# KiCad board ESP32CAM-Weather-Station.kicad_pcb (continued)
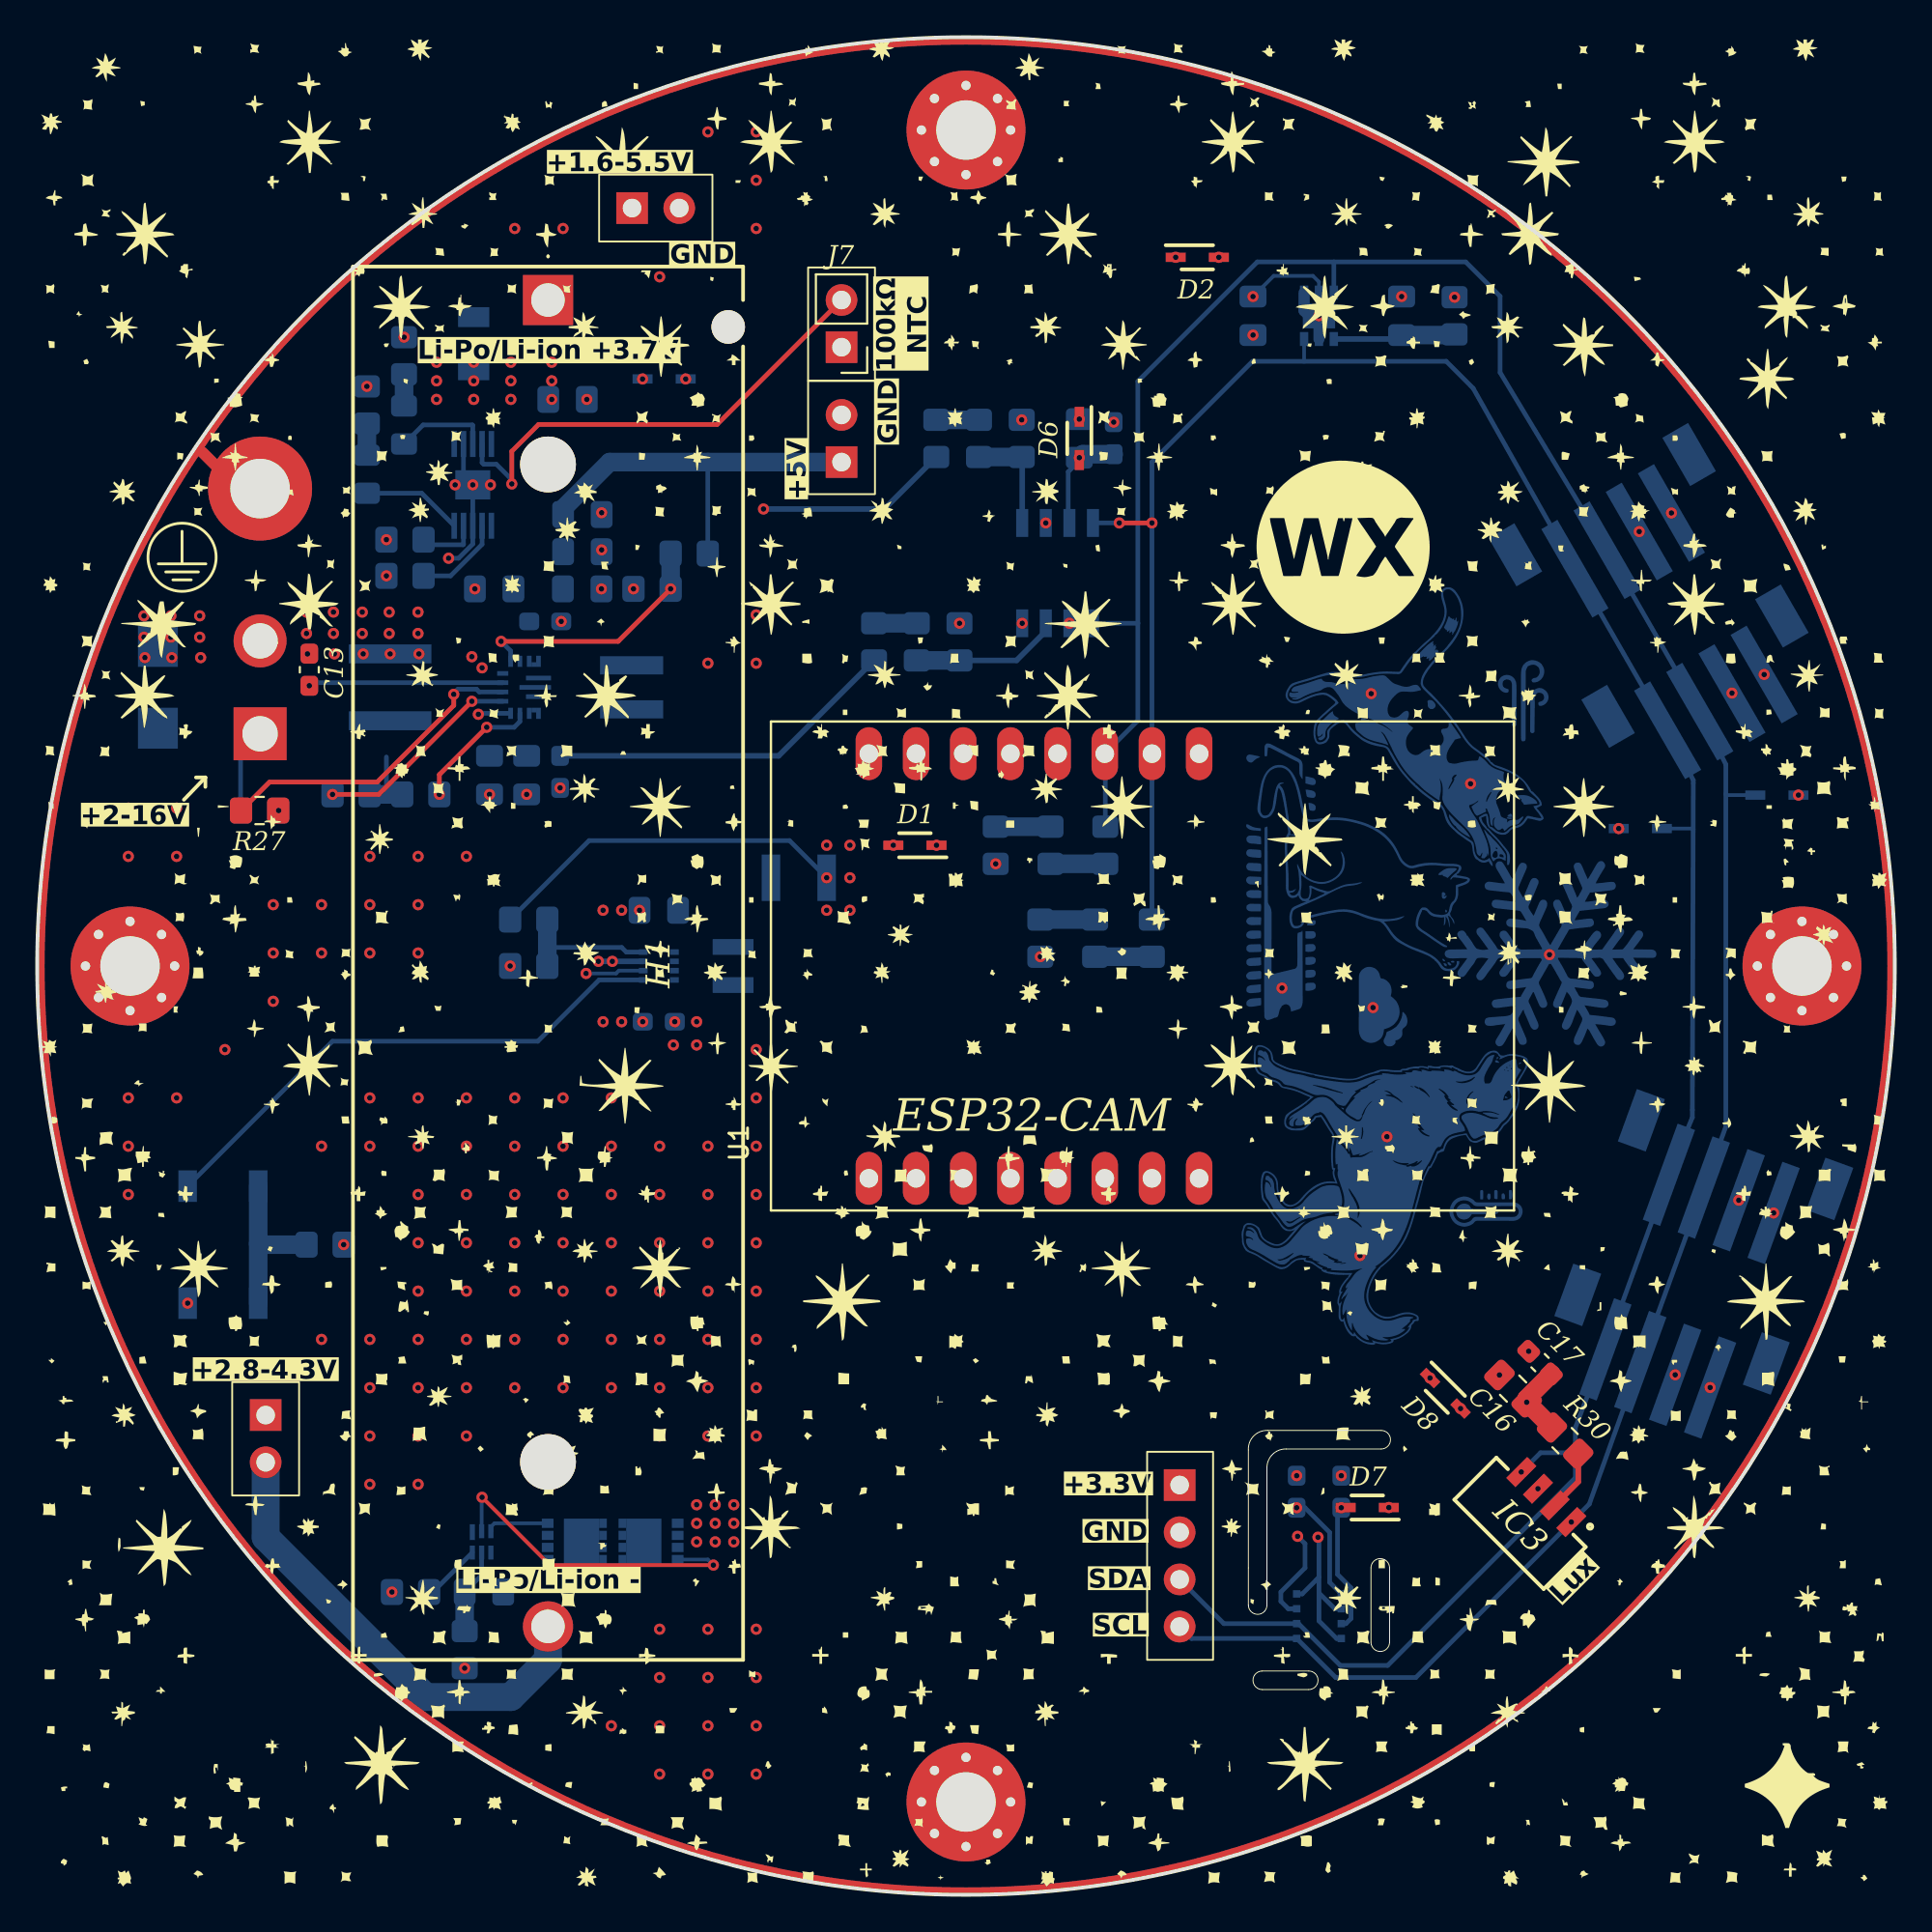
[diagram p0: board, top side]
## Library data of the parts (continued)
IC2 = -: Datasheet: https://www.sensirion.com/fileadmin/user_upload/customers/sensirion/Dokumente/9_Gas_Sensors/Datasheets/Sensirion_Gas_Sensors_Datasheet_SGP41.pdf; Description: Air Quality Sensors VOC and NOx (MOX) Gas Pollutant Sensor; Description_1: Air Quality Sensors VOC and NOx (MOX) Gas Pollutant Sensor; Height: 0.95; Mouser Part Number: 403-SGP41-D-R4; Mouser Price/Stock: https://www.mouser.co.uk/ProductDetail/Sensirion/SGP41-D-R4?qs=A6eO%252BMLsxmRqwfOE5NYPVA%3D%3D; Manufacturer_Name: Sensirion
IC3 = -: Datasheet: https://www.arrow.com/en/products/veml7700-tt/vishay; Description: 16Bit Ambient Light Sensor I2C 6.8x2.3mm; Description_1: 16Bit Ambient Light Sensor I2C 6.8x2.3mm; Mouser Part Number: 78-VEML7700-TT; Mouser Price/Stock: https://www.mouser.co.uk/ProductDetail/Vishay-Semiconductors/VEML7700-TT?qs=BcfjnG7NVaXdL6DJFdWbdw%3D%3D; Manufacturer_Name: Vishay
IC4 = -: Datasheet: http://www.ti.com/lit/gpn/BQ24093; Description: 1A, Single-Input, Single-Cell Li-Ion Battery Charger with Operation Over JEITA and 100k NTC; Description_1: 1A, Single-Input, Single-Cell Li-Ion Battery Charger with Operation Over JEITA and 100k NTC; Height: 1.1; Mouser Part Number: 595-BQ24093DGQR; Mouser Price/Stock: https://www.mouser.co.uk/ProductDetail/Texas-Instruments/BQ24093DGQR?qs=C44r%252BX3hXgJJomV3RK43zw%3D%3D; Manufacturer_Name: Texas Instruments
IC5 = -: Datasheet: http://www.ti.com/lit/ds/symlink/bq2970.pdf; Description: Li-Ion/Li Polymer Advanced Single-Cell Battery Protector IC Family; Description_1: Li-Ion/Li Polymer Advanced Single-Cell Battery Protector IC Family; Height: 0.8; Mouser Part Number: 595-BQ29707DSET; Mouser Price/Stock: https://www.mouser.co.uk/ProductDetail/Texas-Instruments/BQ29707DSET?qs=7z%252BmIopC6%2FK8PFHAGER5Bg%3D%3D; Manufacturer_Name: Texas Instruments
IC6 = -: Datasheet: http://www.microchip.com/mymicrochip/filehandler.aspx?ddocname=en546216; Description: Microchip MCP3426A0T-E/SN, 16 bit Serial ADC, Differential Input, 8-Pin SOIC; Description_1: Microchip MCP3426A0T-E/SN, 16 bit Serial ADC, Differential Input, 8-Pin SOIC; Height: 1.75; Mouser Part Number: 579-MCP3426A0TE/SN; Mouser Price/Stock: https://www.mouser.co.uk/ProductDetail/Microchip-Technology/MCP3426A0T-E-SN?qs=icxrp76fIjCsyZVqfEl2BQ%3D%3D; Manufacturer_Name: Microchip; Manufacturer_Part_Number: MCP3426A0T-E/SN
IC7 = -: Datasheet: http://www.ti.com/lit/gpn/tps63070; Description: Wide Input Voltage (2V-16V) Buck-Boost Converter; Description_1: Wide Input Voltage (2V-16V) Buck-Boost Converter; Mouser Part Number: 595-TPS63070RNMR; Mouser Price/Stock: https://www.mouser.co.uk/ProductDetail/Texas-Instruments/TPS63070RNMR?qs=LuYMPh7GGMS51GHntBDRnQ%3D%3D; Manufacturer_Name: Texas Instruments
J1-J4 = -: Datasheet: https://datasheet.datasheetarchive.com/originals/distributors/Datasheets_SAMA/75c02eb1799788a6b14d7c521ee36df4.pdf; Description: PH SMT top entry shrouded header 4 way JST PH Series, 2mm Pitch 4 Way 1 Row Straight PCB Header, Solder Termination, 2A; Description_1: PH SMT top entry shrouded header 4 way JST PH Series, 2mm Pitch 4 Way 1 Row Straight PCB Header, Solder Termination, 2A; Mouser Part Number: N/A; Mouser Price/Stock: https://www.mouser.co.uk/ProductDetail/JST-Commercial/B4B-PH-SM4-TBLFSN?qs=QpmGXVUTftEshE2WNd%252BKhA%3D%3D; Manufacturer_Name: JST (JAPAN SOLDERLESS TERMINALS); Manufacturer_Part_Number: B4B-PH-SM4-TB(LF)(SN)
J5 = -: Description: Generic connector, single row, 01x04, script generated; ki_fp_filters: Connector*:*_1x??_*
J6 = -: MF: amass; MAXIMUM_PACKAGE_HEIGHT: 10.7mm; CREATOR: DIZAR; Price: None; Package: None; Check_prices: https://www.snapeda.com/parts/XT30UPB-M/AMASS/view-part/?ref=eda; STANDARD: Manufacturer Recommendations; SnapEDA_Link: https://www.snapeda.com/parts/XT30UPB-M/AMASS/view-part/?ref=snap; Description_1: Socket; DC supply; XT30; male; PIN: 2; on PCBs; THT; yellow; 15A; 500V; Availability: In Stock; MANUFACTURER: amass
J7-J10 = -: Description: Generic connector, single row, 01x02, script generated; ki_fp_filters: Connector*:*_1x??_*
L1 = -: Datasheet: https://search.murata.co.jp/Ceramy/image/img/P02/J(E)TE243A-0024.pdf; Description: Toko DFE252012P Series Shielded Wire-wound SMD Inductor with a Powered Iron Core, 1 uH Wire-Wound 4.8A Idc; Description_1: Toko DFE252012P Series Shielded Wire-wound SMD Inductor with a Powered Iron Core, 1 uH Wire-Wound 4.8A Idc; Height: 1.2; Mouser Part Number: 81-DFE252012P-1R0MP2; Mouser Price/Stock: https://www.mouser.co.uk/ProductDetail/Murata-Electronics/DFE252012P-1R0M%3dP2?qs=KuGPmAKtFKUHla8Odvjl9w%3D%3D; Manufacturer_Name: Murata Electronics
L2 = -: Datasheet: https://www.coilcraft.com/getmedia/50632d43-da1b-4cdb-8ab4-3029cab51df3/xfl4020.pdf; Description: COILCRAFT - XFL4020-152MEC - Power Inductor (SMD), 1.5 H, 9.1 A, Shielded, 4.1 A, XFL4020; Description_1: COILCRAFT - XFL4020-152MEC - Power Inductor (SMD), 1.5 H, 9.1 A, Shielded, 4.1 A, XFL4020; Height: 2.1; Mouser Part Number: 994-XFL4020-152MEC; Mouser Price/Stock: https://www.mouser.co.uk/ProductDetail/Coilcraft/XFL4020-152MEC?qs=zCSbvcPd3pak5QYA2uujRA%3D%3D; Manufacturer_Name: COILCRAFT
Q2 Q3 = -: Datasheet: http://www.ti.com/lit/gpn/csd16406q3; Description: 25V, N ch NexFET MOSFET, single SON3x3, 7.4mOhm; Description_1: 25V, N ch NexFET MOSFET, single SON3x3, 7.4mOhm; Mouser Part Number: 595-CSD16406Q3; Mouser Price/Stock: https://www.mouser.co.uk/ProductDetail/Texas-Instruments/CSD16406Q3?qs=SuDOdTVxq4Wogv4PDdDFZA%3D%3D; Manufacturer_Name: Texas Instruments
R3-R14 R16-R31 = -: Description: Resistor; ki_fp_filters: R_*
S1 = -: Datasheet: https://www.sameskydevices.com/product/resource/TS18-5-25-SL-260-SMT-TR.pdf; Description: TS18-5-25-SL-260-SMT-TR - 5 x 5 mm, 2.5 mm Actuator Height, 260 gf, Silver, Surface Mount, TR, SPST, Tactile Switch; Description_1: TS18-5-25-SL-260-SMT-TR - 5 x 5 mm, 2.5 mm Actuator Height, 260 gf, Silver, Surface Mount, TR, SPST, Tactile Switch; Height: 2.7; Mouser Part Number: 179-TS18525SL260SMTT; Mouser Price/Stock: https://www.mouser.co.uk/ProductDetail/Same-Sky/TS18-5-25-SL-260-SMT-TR?qs=tlsG%2FOw5FFh0yS4gYnfcwg%3D%3D; Manufacturer_Name: Same Sky
U1 = -: MF: AI-Thinker; DESCRIPTION: ESP32 ESP32 Transceiver; 802.11 a/b/g/n (Wi-Fi, WiFi, WLAN), Bluetooth® Smart 4.x Low Energy (BLE) Evaluation Board; PACKAGE: None; PRICE: None; Package: None; Check_prices: https://www.snapeda.com/parts/ESP32-CAM/AI-Thinker/view-part/?ref=eda; Price: None; SnapEDA_Link: https://www.snapeda.com/parts/ESP32-CAM/AI-Thinker/view-part/?ref=snap; Availability: Not in stock; AVAILABILITY: Not in stock; Description_1: ESP32 ESP32 Transceiver; 802.11 a/b/g/n (Wi-Fi, WiFi, WLAN), Bluetooth® Smart 4.x Low Energy (BLE) Evaluation Board
U2 = -: Datasheet: https://www.ti.com/lit/ds/symlink/tps631000.pdf?ts=1652152702265; Description: Switching Voltage Regulators 1.5-A output current, high power density buck-boost converter; Description_1: Switching Voltage Regulators 1.5-A output current, high power density buck-boost converter; Height: 0.6; Mouser Part Number: 595-TPS631000DRLR; Mouser Price/Stock: https://www.mouser.co.uk/ProductDetail/Texas-Instruments/TPS631000DRLR?qs=rSMjJ%252B1ewcRYwoN2deTeNA%3D%3D; Manufacturer_Name: Texas Instruments
U3 = -: Datasheet: https://www.digikey.com/en/products/detail/bourns-inc/GDT25-07-S1-RP/13583218?msockid=3bdc366bbe0663d83c1223c0bf3662a6; Description: Gas Discharge Tubes - GDTs / Gas Plasma Arrestors 75V; Description_1: Gas Discharge Tubes - GDTs / Gas Plasma Arrestors 75V; Height: 5.6; Mouser Part Number: 652-GDT25-07-S1-RP; Mouser Price/Stock: https://www.mouser.co.uk/ProductDetail/Bourns/GDT25-07-S1-RP?qs=81r%252BiQLm7BQ0x9Gwvyxc9g%3D%3D; Manufacturer_Name: Bourns

## Footprints (pads in the part's own frame, mm; a bottom-side part is the same pattern mirrored in y, then rotated)
12BHC186P2GR
  round 3 hole 3 unplated: (-62.55,0) (-8.85,0)
  round 1.8 hole 1.8 unplated: (-1.45,-9.7)
  rect 2.7x2.7 hole 1.8: 1(0,0)
  round 2.7 hole 1.8: 2(-71.4,0)
AMASS_XT30UPB-M
  round 2.85 hole 1.9: N(2.5,0)
  rect 2.85x2.85 hole 1.9: P(-2.5,0)
B4B-PH-SM4_1
  rect 1x5.5 smd: 1(-3,-4.75) 2(-1,-4.75) 3(1,-4.75) 4(3,-4.75)
  rect 1.6x3 smd: 5(5.4,-2.5) 6(-5.4,-2.5)
BME688
  rect 0.4x0.4 smd: 1(1.2,1.2) 2(1.2,0.4) 3(1.2,-0.4) 4(1.2,-1.2) 5(-1.2,-1.2) 6(-1.2,-0.4) 7(-1.2,0.4) 8(-1.2,1.2)
C_0603_1608Metric_Pad1.08x0.95mm_HandSolder
  rrect 1.075x0.95 smd: 1(-0.863,0) 2(0.863,0)
C_0805_2012Metric_Pad1.18x1.45mm_HandSolder
  rrect 1.175x1.45 smd: 1(-1.038,0) 2(1.038,0)
catsdog
  round 0.8 smd: 1(-2.4,-7.45) 1(-0.05,-1.85) 1(27.85,-6.85)
  round 1 smd: 1(4,-6) 1(10.95,-6.75) 1(12,-11.65) 1(13.8,2.75) 1(23,-1.5)
DFE2HCAH1R0MJ0L
  rect 0.85x2.2 smd: 1(-1.025,0) 2(1.025,0)
DIONM5436X265N
  rect 2.2x2.15 smd: 1(-2.2,0) 2(2.2,0)
DQG_VSON-CLIP
  rect 0.5x0.63 smd: 1(-0.975,-1.435) 2(-0.325,-1.435) 3(0.325,-1.435) 4(0.975,-1.435)
  rect 0.5x0.41 smd: 5(0.975,1.545) 6(0.325,1.545) 7(-0.325,1.545) 8(-0.975,1.545)
  rect 2.45x1.9 smd: 9(0,0.39)
ESP32-CAM
  oval 2.845x1.422 hole 1: P$1(-11.43,10.16) P$2(-11.43,7.62) P$3(-11.43,5.08) P$4(-11.43,2.54) P$5(-11.43,0) P$6(-11.43,-2.54) P$7(-11.43,-5.08) P$8(-11.43,-7.62) P$9(11.43,-7.62) P$10(11.43,-5.08) P$11(11.43,-2.54) P$12(11.43,0) P$13(11.43,2.54) P$14(11.43,5.08) P$15(11.43,7.62) P$16(11.43,10.16)
FUSC3116X70N
  rect 1.07x1.68 smd: 1(-1.43,0) 2(1.43,0)
GDT2507S1RP
  rect 1.02x4.45 smd: 1(-1.8,0) 2(1.8,0)
LED_0805_2012Metric_Pad1.15x1.40mm_HandSolder
  rrect 1.15x1.4 smd: 1(-1.025,0) 2(1.025,0)
MFUSHT125KX122
  rect 1x2.5 smd: 1(-1.5,0) 2(1.5,0)
MountingHole_3.2mm_M3_DIN965_Pad
  round 5.6 hole 3.2: 1(0,0)
MountingHole_3.2mm_M3_Pad_Via
  round 0.8 hole 0.5: 1(-2.4,0) 1(-1.697,1.697) 1(-1.697,-1.697) 1(0,2.4) 1(0,-2.4) 1(1.697,1.697) 1(1.697,-1.697) 1(2.4,0)
  round 6.4 hole 3.2: 1(0,0)
PinHeader_1x02_P2.54mm_Vertical
  rect 1.7x1.7 hole 1: 1(0,0)
  round 1.7 hole 1: 2(0,-2.54)
PinHeader_1x04_P2.54mm_Vertical
  rect 1.7x1.7 hole 1: 1(0,0)
  round 1.7 hole 1: 2(0,-2.54) 3(0,-5.08) 4(0,-7.62)
R_0805_2012Metric_Pad1.20x1.40mm_HandSolder
  rrect 1.2x1.4 smd: 1(-1,0) 2(1,0)
SOD2513X120N
  rect 1.075x0.5 smd: 1(-1.162,0) 2(1.162,0)
SOIC127P600X175-8N
  rect 1.5x0.65 smd: 1(-2.7,1.905) 2(-2.7,0.635) 3(-2.7,-0.635) 4(-2.7,-1.905) 5(2.7,-1.905) 6(2.7,-0.635) 7(2.7,0.635) 8(2.7,1.905)
SON80P244X244X95-7N
  rect 0.75x0.45 smd: 1(-1.25,0.8) 2(-1.25,0) 3(-1.25,-0.8) 4(1.25,-0.8) 5(1.25,0) 6(1.25,0.8)
  rect 1.35x1.74 smd: 7(0,0)
SOP50P490X110-11N
  rect 1.4x0.3 smd: 1(-2.2,1) 2(-2.2,0.5) 3(-2.2,0) 4(-2.2,-0.5) 5(-2.2,-1) 6(2.2,-1) 7(2.2,-0.5) 8(2.2,0) 9(2.2,0.5) 10(2.2,1)
  rect 1.57x1.88 smd: 11(0,0)
SOTFL50P160X60-8N
  rect 0.475x0.3 smd: 1(-0.838,0.75) 2(-0.838,0.25) 3(-0.838,-0.25) 4(-0.838,-0.75) 5(0.838,-0.75) 6(0.838,-0.25) 7(0.838,0.25) 8(0.838,0.75)
TPS610985DSET
  rect 0.28x0.85 smd: 1(-0.5,-0.525)
  rect 0.28x0.75 smd: 2(0,-0.575) 3(0.5,-0.575) 4(0.5,0.575) 5(0,0.575) 6(-0.5,0.575)
TPS630701RNMR
  rect 0.6x0.25 smd: 1(-0.438,0.75) 2(-0.438,0.25) 3(-0.438,-0.25) 4(-0.438,-0.75)
  rect 0.25x0.6 smd: 5(-0.012,-1.4) 6(0.488,-1.4) 7(0.988,-1.4) 8(1.488,-1.4) 12(1.488,1.4) 13(0.988,1.4) 14(0.488,1.4) 15(-0.012,1.4)
  rect 1.35x0.25 smd: 9(1.488,-0.5) 11(1.488,0.5)
  rect 1.7x0.25 smd: 10(1.313,0)
  rect 0.25x0.25 smd: 16(1.238,1.225) 17(1.238,-1.225)
TS18525SL260SMTTR
  rect 1.7x1 smd: 1(-3.15,1.9) 2(3.15,1.9) 3(-3.15,-1.9) 4(3.15,-1.9)
VEML7700
  rect 0.7x1.6 smd: 1(1.495,-0.4) 2(2.765,-0.4) 3(4.035,-0.4) 4(5.305,-0.4)
XFL4020152MEC
  rect 0.98x3.4 smd: 1(-1.185,0) 2(1.185,0)

## Nets
+3.3V: C14.1 C15.2 C16.1 C17.2 C19.1 C20.2 C21.2 D1.2 D2.2 D6.2 D7.2 D8.2 F2.1 IC1.2 IC1.6 IC1.8 IC2.5 IC6.3 J1.1 J2.1 J3.1 J4.1 J5.1 R9.1 R12.1 R24.1 R30.1 R31.1 U1.P$16
+5V: C2.1 C6.1 C7.1 C8.1 C9.1 IC4.1 IC7.7 IC7.8 IC7.17 J10.1 R28.1
+VBAT: C3.1 C4.1 D11.2 F1.2 IC4.10 J9.1 R8.2 R16.2 R18.1 R19.1 S1.2 U2.4 U2.6
+VBAT_UNFUSED: F1.1 H1.1 J8.1
-VBAT: C1.2 H1.2 IC5.4 J9.2 Q3.1 Q3.2 Q3.3
/3V3_PREFUSE: C5.1 F2.2 U2.1
/5V_REG_EN: IC7.14 R26.2
/5V_REG_FB: IC7.5 R28.2 R29.1
/5V_REG_L1: IC7.11 L2.1
/5V_REG_L2: IC7.9 L2.2
/5V_REG_PG: IC7.2 R27.1
/5V_REG_PS_S: IC7.1 R25.2
/5V_REG_VAUX: C13.2 IC7.3
/VBAT_SNS: IC6.1 R3.2 R4.1
GND: C2.2 C3.2 C4.2 C5.2 C6.2 C7.2 C8.2 C9.2 C10.2 C11.2 C12.2 C13.1 C14.2 C15.1 C16.2 C17.1 C18.2 C19.2 C20.1 C21.1 D1.1 D2.1 D5.2 D6.1 D7.1 D8.1 D9.1 D10.1 D11.1 H5.1 IC1.1 IC1.5 IC1.7 IC2.2 IC2.4 IC2.7 IC3.3 IC4.3 IC4.7 IC4.11 IC6.2 IC6.6 IC6.8 IC7.4 IC7.6 IC7.10 IC7.15 J1.2 J2.2 J3.2 J4.2 J5.2 J6.N J7.1 J8.2 J10.2 Q2.1 Q2.2 Q2.3 R4.2 R6.2 R17.1 R20.2 R21.2 R22.1 R23.2 R29.2 REF**.1 U1.P$2 U1.P$9 U1.P$13 U2.7 U3.2
+VSOLAR: C10.1 C11.1 C12.1 D5.1 D14.2 IC7.12 IC7.13 IC7.16 J6.P R5.2 R25.1 R26.1 U3.1
/CHG_CHG: D4.1 IC4.8
/CHG_PG: D3.1 IC4.5
/CHG_TS: IC4.9 J7.2
/I2C_SCL: D10.2 IC1.4 IC2.6 IC3.1 IC6.5 J1.3 J2.3 J3.3 J4.3 J5.4 R14.1 U1.P$11
/I2C_SDA: D9.2 IC1.3 IC2.3 IC3.4 IC6.4 J1.4 J2.4 J3.4 J4.4 J5.3 R11.1 U1.P$10
/ISET: IC4.2 R20.1
/PRETERM: IC4.4 R21.1
/PROT_BAT: C1.1 IC5.5 R16.1
/REG_EN: S1.1 U2.5
/REG_FB: R23.1 R24.2 U2.8
/REG_LX1: L1.1 U2.3
/REG_LX2: L1.2 U2.2
/SGP41_VDD_TAP: C18.1 IC2.1 R31.2
/VSOLAR_SNS: IC6.7 R6.1 R7.2
Net-(D3-A): D3.2 R18.2
Net-(D4-A): D4.2 R19.2
Net-(D14-K): D14.1 R27.2
Net-(IC3-VDD): IC3.2 R30.2
Net-(IC5-COUT): IC5.2 Q2.4
Net-(IC5-DOUT): IC5.3 Q3.4
Net-(IC5-V-): IC5.6 R17.2
Net-(Q2-D_1): Q2.5 Q2.6 Q2.7 Q2.8 Q2.9 Q3.5 Q3.6 Q3.7 Q3.8 Q3.9
Net-(R3-Pad1): R3.1 R8.1
Net-(R5-Pad1): R5.1 R7.1
Net-(R10-Pad1): R9.2 R10.1
Net-(R10-Pad2): R10.2 R11.2
Net-(R12-Pad2): R12.2 R13.1
Net-(R13-Pad2): R13.2 R14.2
Net-(S1-COM_1): R22.2 S1.3 S1.4

Pads without a net: H2 1; H3 1; H4 1; H6 1; IC4 6; IC5 1; J1 5 6; J2 5 6; J3 5 6; J4 5 6; U1 P$1 P$3 P$4 P$5 P$6 P$7 P$8 P$12 P$14 P$15

## Via types
v1: diameter 0.6, hole 0.3, Top to Bottom, 271 vias

## Routing (per net, layer and track width the routed paths; a pad name or vN(x,y) marks a point on that pad's centre or on a via; arc(x,y) is an arc through that point)
+3.3V: length 52.3
  Top w0.25: v1(67.85,19.3) 67.95,19.3
  Top w1: R30.1 v1(80.18,26.52) 80.18,26.71 C17.2
  Bottom w0.2: v1(65.45,86.04) 66.56,87.15 68.68,87.15 69,86.83 IC2.5
  Bottom w0.25: IC6.3 55.5,73.92 55.5,76.6 56.1,77.2 v1(56.1,77.36) ; v1(70.2,20.84) 70,20.64 70,17.25 70.73,16.52 70.73,14.87 70.45,14.6 IC1.6 ; IC1.2 67.35,15.4 66.95,15.8 66.95,16.3 68.25,17.6 68.25,18.9 v1(67.85,19.3) ; IC1.8 69.58,16.82 69.58,19.51 68.25,20.84 v1(67.8,20.84) ; v1(42.5,54.75) 40.5,56.75 29.71,56.75 R24.1
  Bottom w1: v1(56.1,77.36) 56.29,77.55 C15.2
  vias: v1(42.5,56.5) v1(42.5,53) v1(43.75,56.5) v1(43.75,54.75) v1(43.75,53) v1(46.09,56.5) v1(51.6,55.5) v1(54,50.5) v1(63.61,88.15) v1(76.3,86) v1(76.62,26.18) v1(87.97,74.39) v1(90.05,27.31) v1(92.96,65.69) v1(93.48,36.71)
+5V: length 21.3
  Bottom w0.25: R28.1 36.1,77.12
  Bottom w1: J10.1 30.81,77.12 28.31,74.62 C2.1
+VBAT: length 13.6
  Bottom w0.2: U2.6 31.31,49.75 31.16,49.6 v1(29.55,49.6)
  Bottom w0.3: v1(39.1,74.6) 45.6,74.6 R8.2
  vias: v1(8.1,31.85) v1(17.75,81.2) v1(19.75,83.85) v1(21.5,82.5) v1(21.5,81.5) v1(21.5,80.5) v1(23.01,12.2) v1(23.5,82.5) v1(23.5,81.5) v1(23.5,80.5) v1(25.5,82.5) v1(25.5,81.5) v1(25.5,80.5) v1(27.7,82.5) v1(27.7,81.5) v1(27.7,80.5) v1(32.59,81.6) v1(34.25,45.75) v1(34.32,47) v1(35.5,47) v1(35.5,45.75)
-VBAT: length 25.4
  Bottom w1.5: H1.2 27.5,12.65 25.5,10.65 20.9,10.65 12.3,19.25 J9.2
/5V_REG_EN: length 7
  Top w0.25: v1(21.65,59.24) 21.65,60.3 v1(24.2,62.85)
  Bottom w0.25: IC7.14 25.99,63.16 25.68,62.85 v1(24.2,62.85)
/5V_REG_FB: length 13.5
  Top w0.25: v1(24.97,67.47) 31.28,67.47 v1(34.1,70.3)
  Bottom w0.25: 24.95,67.5 v1(24.97,67.47) 25.49,66.96 IC7.5
  Bottom w1: v1(34.1,70.3) R28.2
/5V_REG_PG: length 17.2
  Top w0.25: v1(22.42,64.62) 22.42,64.03 18.3,59.9 12.51,59.9 R27.1
  Bottom w0.25: IC7.2 23.8,64.75 23.65,64.9 22.65,64.9 22.42,64.67 v1(22.42,64.62)
/5V_REG_PS_S: length 11.2
  Top w0.25: v1(15.9,59.24) 18.39,59.24 v1(23.4,64.25)
  Bottom w0.25: IC7.1 v1(23.4,64.25)
/5V_REG_VAUX: length 10.5
  Bottom w0.25: IC7.3 14.81,65.25 v1(14.65,65.09)
/VBAT_SNS: length 5.9
  Bottom w0.3: R4.1 53.03,77.38 IC6.1
  Bottom w1: R3.2 R4.1
GND: length 27.7
  Top w0.2: H5.1 10.85,75.7
  Top w0.6: 10.85,75.7 8.9,77.65
  Bottom w0.25: 69,17.1 69,19.2 v1(68.95,19.25) ; 69,17.1 68.1,16.2 IC1.1 ; 69,17.1 69,16.25 ; v1(23.75,63.55) 23.8,63.6 IC7.15 ; IC1.5 69.95,13.8 69,14.75 69,16.25 ; 69,16.25 69.85,15.4 IC1.7 ; 23.95,66.1 v1(23.95,66.05) ; IC4.7 22.95,76.4 v1(23.45,75.9) IC4.3 23.45,72.72 22.68,71.95 v1(22.15,71.95)
  Bottom w0.3: v1(30.21,50.25) v1(30.96,50.25) U2.7
  Bottom w0.6: IC2.4 68.2,85.28 68.47,85 v1(69,85) IC2.2
  vias: v1(4.91,58.5) v1(4.91,55.9) v1(4.91,42.9) v1(4.91,40.3) v1(4.91,37.7) v1(5.75,68.85) v1(5.75,67.7) v1(5.8,66.6) v1(7.2,68.85) v1(7.2,67.7) v1(7.25,66.6) v1(7.51,58.5) v1(7.51,55.9) v1(7.51,42.9) v1(8.75,68.85) v1(8.75,67.7) v1(8.8,66.6) v1(10.11,45.5) v1(12.71,53.3) v1(12.71,50.7) v1(12.71,48.1) v1(14.5,69.05) v1(14.5,67.9) v1(14.55,66.8) v1(15.31,53.3) v1(15.31,50.7) v1(15.31,40.3) v1(15.31,29.9) v1(15.95,69.05) v1(15.95,67.9) v1(16,66.8) v1(16.5,35) v1(17.5,69.05) v1(17.5,67.9) v1(17.55,66.8) v1(17.91,55.9) v1(17.91,53.3) v1(17.91,50.7) v1(17.91,42.9) v1(17.91,40.3) v1(17.91,29.9) v1(17.91,27.3) v1(17.91,24.7) v1(17.91,22.1) v1(18.8,72.95) v1(18.8,71) v1(18.95,69.05) v1(18.95,67.9) v1(19,66.8) v1(19.1,16.3) v1(20.5,69.05) v1(20.5,67.9) v1(20.55,66.8) v1(20.51,55.9) v1(20.51,53.3) v1(20.51,50.7) v1(20.51,42.9) v1(20.51,40.3) v1(20.51,37.7) v1(20.51,35.1) v1(20.51,32.5) v1(20.51,29.9) v1(20.51,27.3) v1(20.51,24.7) v1(20.51,22.1) v1(22.5,75.9) v1(23.11,55.9) v1(23.11,42.9) v1(23.11,40.3) v1(23.11,37.7) v1(23.11,35.1) v1(23.11,32.5) v1(23.11,29.9) v1(23.11,27.3) v1(23.11,24.7) v1(23.4,66.65) v1(23.56,70.3) v1(24.35,59.24) v1(24.4,75.9) v1(25.46,50) v1(25.71,89.7) v1(25.71,42.9) v1(25.71,40.3) v1(25.71,37.7) v1(25.71,35.1) v1(25.71,32.5) v1(25.71,29.9) v1(25.71,27.3) v1(26.35,59.24) v1(28.21,68.55) v1(28.15,59.59) v1(28.31,89.7) v1(28.31,42.9) v1(28.31,40.3) v1(28.31,37.7) v1(28.31,35.1) v1(28.31,32.5) v1(28.31,29.9) v1(28.31,27.3) v1(29.59,80.5) v1(30.39,74.4) v1(30.39,72.4) v1(30.38,70.3) v1(30.46,53) v1(30.46,47) v1(30.91,42.9) v1(30.91,40.3) v1(30.91,37.7) v1(30.91,35.1) v1(30.91,32.5) v1(30.91,29.9) v1(30.91,27.3) v1(30.91,9.1) v1(31.46,53) v1(31.46,47) v1(32.1,70.3) v1(32.43,53) v1(32.6,47) v1(33.51,87.1) v1(33.51,40.3) v1(33.51,37.7) v1(33.51,35.1) v1(33.51,32.5) v1(33.51,29.9) v1(33.51,27.3) v1(33.51,24.7) v1(33.51,14.3) v1(33.51,11.7) v1(33.51,9.1) v1(33.51,6.5) v1(34.91,81.6) v1(35.5,21) v1(35.5,20) v1(35.5,19) v1(36.11,94.9) v1(36.11,66.3) v1(36.11,40.3) v1(36.11,37.7) v1(36.11,35.1) v1(36.11,32.5) v1(36.11,29.9) v1(36.11,27.3) v1(36.11,24.7) v1(36.11,14.3) v1(36.11,11.7) v1(36.11,9.1) v1(36.11,6.5) v1(36.5,21) v1(36.5,20) v1(36.5,19) v1(37.5,21) v1(37.5,20) v1(37.5,19) v1(38.71,94.9) v1(38.71,92.3) v1(38.71,89.7) v1(38.71,68.9) v1(38.71,66.3) v1(38.71,45.5) v1(38.71,42.9) v1(38.71,40.3) v1(38.71,37.7) v1(38.71,35.1) v1(38.71,32.5) v1(38.71,29.9) v1(38.71,27.3) v1(38.71,24.7) v1(38.71,14.3) v1(38.71,11.7) v1(38.71,9.1) v1(38.71,6.5) v1(48.41,56.5) v1(49.65,68.45) v1(53,79.4) v1(53.03,68.45) v1(54.29,73.85) v1(55.56,68.45) v1(56.1,79.44) v1(57.95,79.28) v1(61.29,88.15) v1(65.45,83.96) v1(67.01,48.81) v1(67.8,22.56) v1(70.2,22.56) v1(71.21,34.41) v1(71.81,64.66) v1(71.91,47.76) v1(72.66,40.81) v1(72.76,20.85) v1(73.45,86.04) v1(74.98,27.82) v1(77.16,59.81) v1(78.72,27.98) v1(80.29,29.26) v1(80.79,21.86) v1(81.41,50.61) v1(85.14,57.4) v1(86.24,73.39) v1(88.18,27.99) v1(91.23,64.69) v1(91.6,37.39) v1(94.81,59.2)
+VSOLAR: length 27.4
  Bottom w0.25: D14.2 10.95,61.45 J6.P ; 18.8,59.24 18.8,61.25
  Bottom w0.3: R5.2 39.91,61.31 C10.1
  Bottom w1: R26.1 R25.1
/CHG_CHG: length 5.1
  Bottom w0.25: D4.1 20.78,79.13 23.43,79.13 23.45,79.1 IC4.8
/CHG_PG: length 5.4
  Bottom w0.25: D3.1 20.7,75.45 IC4.5
/CHG_TS: length 26.1
  Top w0.25: J7.2 36.6,79.15 26.99,79.15 25.55,77.71 v1(25.55,75.95)
  Bottom w0.25: v1(25.55,75.95) 25.55,76.18 24.72,77.01 24.04,77.01 23.95,77.1 IC4.9
/I2C_SCL: length 149.9
  Bottom w0.2: D10.2 90.95,59.2 90.9,59.25
  Bottom w0.25: R14.1 57.5,61.4 U1.P$11 59.25,63.21 59.25,68.45 ; IC2.6 69.8,87.9 ; 69.8,87.9 76.9,87.9 78.75,86.05 78.75,81.95 J3.3 J4.3 90.9,60.85 90.9,41.35 J1.3 J2.3 83.55,21.03 v1(82.58,20.07) 74.22,11.7 69.9,11.7 IC1.4 62.14,13.8 J5.4 ; 69.8,87.9 65.68,87.9 59.25,81.47 59.25,68.45 ; 59.25,68.45 IC6.5
/I2C_SDA: length 144.6
  Top w0.25: v1(58.25,73.85) 60,73.85
  Bottom w0.2: D9.2 89.09,57.4 89.14,57.35 ; IC2.3 68.2,82.55
  Bottom w0.25: v1(79.89,22.76) 80.93,23.8 82.75,23.8 82.8,23.75 ; v1(58.25,73.85) IC6.4 56.84,73.96 ; R11.1 60,53 60.01,53.01 U1.P$10 v1(60.01,73.85) 60.01,77.14 65.43,82.55 75.85,82.55 77.3,81.1 J3.4 J4.4 89.15,60 89.15,59.85 89.1,42.25 89.1,41.85 J1.4 J2.4 82.8,25.15 82.8,23.75 ; 82.8,23.75 82.8,22.45 72.7,12.35 70.15,12.35 67.9,14.6 IC1.3 63.88,14.6 J5.3
/ISET: length 4.9
  Bottom w0.25: IC4.2 23.95,72.7 22.25,71 R20.1
/PRETERM: length 3.3
  Bottom w0.25: IC4.4 22.95,72.7 22.93,72.67 21.08,72.67 R21.1
/PROT_BAT: length 4.6
  Bottom w0.25: IC5.5 23.92,17.21 C1.1
  Bottom w1: R16.1 C1.1
/REG_EN: length 29.1
  Bottom w0.25: S1.1 15.9,45.95 26.95,45.95 30.25,49.25 U2.5
/REG_FB: length 7.8
  Bottom w0.25: U2.8 31.71,50.75 31.46,51 27.46,51
  Bottom w1: R24.2 R23.1
/SGP41_VDD_TAP: length 6.6
  Bottom w0.3: IC2.1 73.24,83.75 C18.1
  Bottom w1: R31.2 76.26,83.96 C18.1
/VSOLAR_SNS: length 8
  Bottom w0.3: R6.1 52.72,66.45 54.29,68.03 IC6.7
  Bottom w1: R7.2 R6.1
Net-(D3-A): length 1.7
  Bottom w1: R18.2 D3.2
Net-(D4-A): length 1.7
  Bottom w1: R19.2 D4.2
Net-(D14-K):
  vias: v1(13,58.37)
Net-(IC3-VDD): length 3.3
  Top w0.3: R30.2 82.96,22.24 IC3.2
Net-(IC5-COUT): length 17.8
  Top w0.2: v1(23.95,21.4) 27.6,17.75 v1(36.4,17.75)
  Bottom w0.2: v1(36.4,17.75) 36.1,18.05 Q2.4 ; IC5.2 23.92,21.38 v1(23.95,21.4)
Net-(IC5-DOUT): length 3.4
  Bottom w0.2: Q3.4 24.62,20 24.42,19.81 IC5.3
Net-(IC5-V-): length 3.2
  Bottom w0.25: R17.2 21.3,16.3 IC5.6
Net-(R3-Pad1): length 2.3
  Bottom w1: R8.1 R3.1
Net-(R5-Pad1): length 2.3
  Bottom w1: R7.1 R5.1
Net-(R10-Pad1): length 2.9
  Bottom w1: R9.2 R10.1
Net-(R10-Pad2): length 3.1
  Bottom w1: R10.2 R11.2
Net-(R12-Pad2): length 3
  Bottom w1: R12.2 R13.1
Net-(R13-Pad2): length 2.9
  Bottom w1: R13.2 R14.2
Net-(S1-COM_1): length 8.9
  Bottom w1: 11.9,35.05 S1.4 ; 11.9,35.05 S1.3 ; 11.9,35.05 11.95,35 R22.2

## Copper pours and planes (outline as drawn; the poured copper is in the pictures)
+3.3V on Bottom: 41.5,57 44.25,57 44.25,52.5 41.5,52.5
+3.3V on In1.Cu: 41.5,100 41.5,0 100,0 100,100
+5V on Bottom: 26.3,66.05 27.2,66.05 27.35,68.55 27.35,69 29,69.6 29,75.45 24.7,74.55 24.25,74.45 24.25,72.75 24.65,69.3 25.7,67.8 26.3,66.75
+VBAT on Bottom: 34.46,49.5 35.96,48 35.96,45 33.46,45 33.46,48 33.96,49 33.96,49.5
+VBAT on Bottom: 24.25,77.35 24.9,77.35 28.3,79.55 28.3,79.9 24.05,79.9
+VBAT on Bottom: 28.3,83 28.3,79.55 21,79.55 21,83
+VBAT on In1.Cu: 40,100 0,100 0,0 40,0
+VBAT_UNFUSED on Bottom: 33,95.5 33,84 22,84 22,88.5 30.5,95.5
-VBAT on Bottom: 24.25,19 27,19.5 28,19.5 28,17.5 30.5,14.5 30.5,12 24.25,12
/3V3_PREFUSE on Bottom: 33.96,50.5 33.5,52.5 33.46,54 39,56.25 40.25,56.25 40.25,53.25 38.5,53.25 34.5,50.5
/5V_REG_L1 on Bottom: 26.25,64.75 34,64.75 34,63 30,63 27.75,64.25 26.25,64.25
/5V_REG_L2 on Bottom: 26.25,65.25 26.25,65.75 27.75,65.75 30,67 34,67 34,65.25
GND on Bottom: 33.46,54 33.46,46 29.96,46 29.96,48 32.96,49 32.96,50 32.46,50 32.46,50.5 32.96,50.5 32.96,51 29.96,52 29.96,54
GND on Bottom: 26.15,66.75 26.15,65.95 26.2,65.25 27.7,65.25 27.7,64.75 25.5,64.75 25.5,65.5 24.7,65.5 24.7,65.95 25.75,65.95 25.75,66.75
GND on Bottom: 21.5,66 5,66 5,69.5 21.5,69.5
GND on Bottom: 34,18.5 38,18.5 38,21.5 35,21.5 34,20.5
GND on Bottom, In2.Cu: 40,100 0,100 0,0 40,0
GND on In2.Cu: 43.85,51.5 43.85,48.5 36.3,48.5 36.3,51.5
GND on In2.Cu: 100,100 41.5,100 41.5,0 100,0
+VSOLAR on Bottom: 26.3,64 27.3,64 29.7,62.6 29.7,60.45 4.7,60.45 4.7,64.25 21.8,64.25 24,62.3 25.4,62.3 26.3,62.8
/REG_LX1 on Bottom: 33.96,50 34.46,50 36.46,49.5 38.96,49.5 38.96,48.5 36.46,48.5 34.96,49.5 33.96,49.5
/REG_LX2 on Bottom: 33.96,50.5 34.96,50.5 36.46,51.5 38.96,51.5 38.96,50.5 36.46,50.5 33.96,50
Net-(Q2-D_1) on Bottom: 28.5,20.5 28.5,17.5 33.5,17.5 33.5,20.5

## Text on the board
B.Silkscreen: 75V GDT | PTC 1.25A 12V | AUTO-RESET | 4A 32V / FAST | +2-16V | 3V3_EN | +2.8-4.3V | GND_PROT | +1.6-5.5V | GND | +3.3V | SDA | SCL | VOC / Nox | EXP1 | EXP2 | +5V | EXP4 | EXP3 | 20V TVS | T,H,P,GR | ESP32-CAM Weather Station / Designed by Ilias Kringos / Revision 1/2026 | S/N:______
F.Silkscreen: Li-Po/Li-ion +3.7V | Li-Po/Li-ion - | +2-16V | +2.8-4.3V | +1.6-5.5V | GND | +3.3V | SDA | SCL | Lux | +5V | 100kΩ / NTC
